# KiCad board st296n_20741.kicad_pcb (continued)
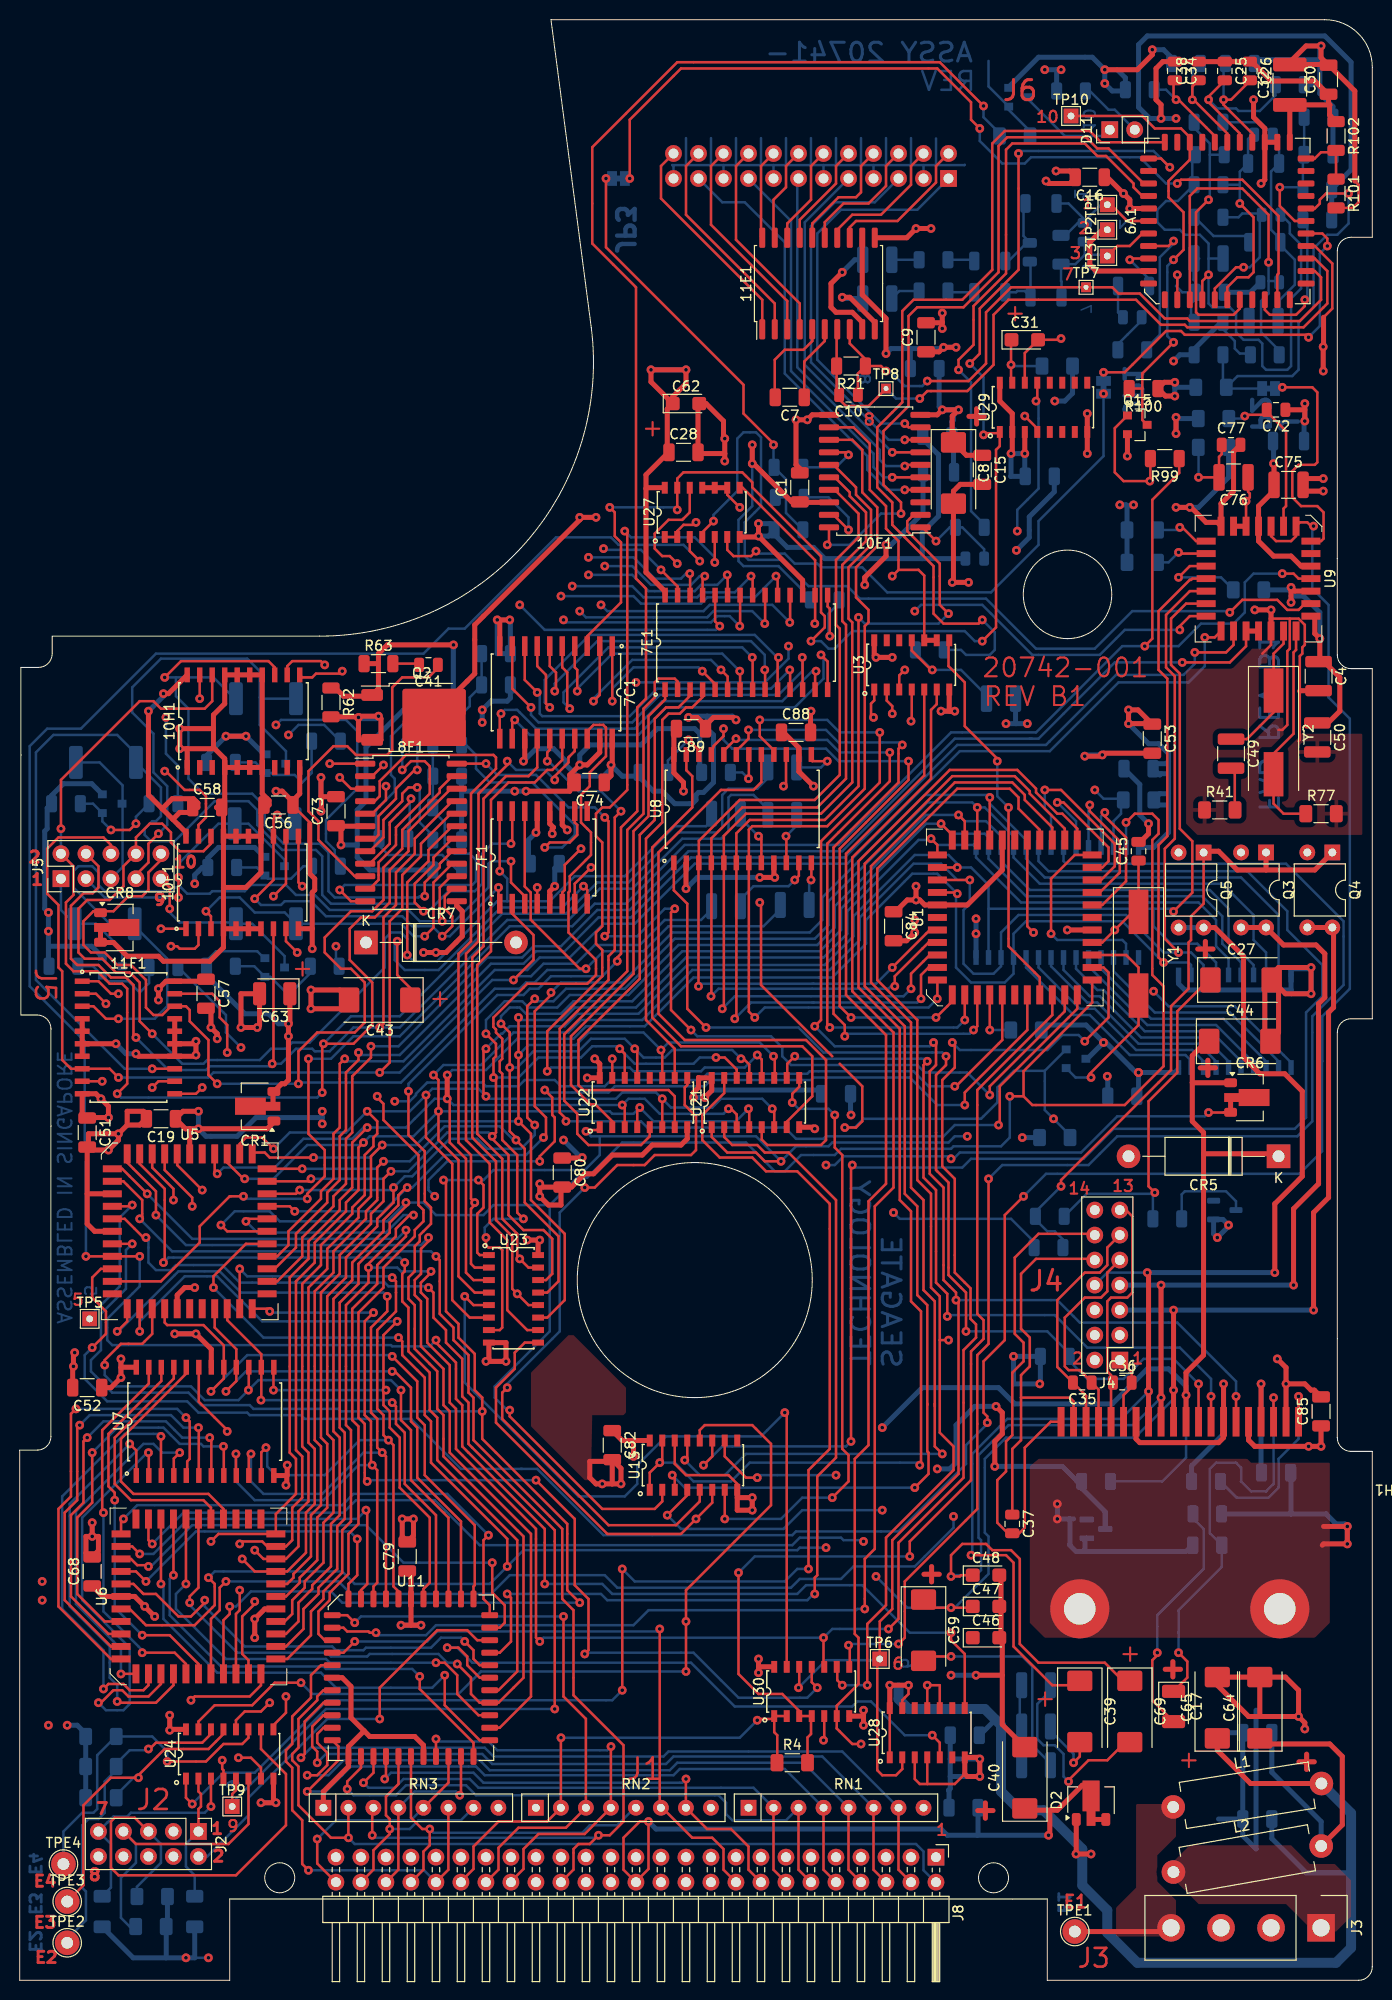
[diagram p0: board, top side]
## Routing (per net, layer and track width the routed paths; a pad name or vN(x,y) marks a point on that pad's centre or on a via; arc(x,y) is an arc through that point) (continued)
/Analog/MOTD-: length 143.7
  Top w0.254: v1(36.58,92.2) 37.59,93.22 37.59,107.57 38.86,108.84 38.86,112.27 40.77,114.17 40.77,115.44 43.81,118.49 44.4,118.49 ; v1(50.17,101.6) 52.2,103.63 52.2,106.17 50.04,108.33 7F1.2 ; v1(10.03,91.69) 9.14,92.58 5.21,92.58 4.32,93.47 4.32,102.49 3.94,102.87 3.94,109.22 2.79,110.36 2.79,114.94 3.94,116.08 8.51,116.08 9.27,115.32 9.27,114.43
  Bottom w0.254: R13.1 70.29,108.77 69.22,107.7 65.53,107.7 62.99,105.16 58.42,105.16 56.52,103.25 53.21,103.25 51.94,101.98 50.55,101.98 v1(50.17,101.6) 48.01,101.6 38.61,92.2 v1(36.58,92.2) 19.69,92.2 19.18,91.69 v1(10.03,91.69)
/Analog/MOTD_U: length 143.2
  Top w0.254: v1(74.3,142.62) 74.46,142.46 7E1.21
  In2.Cu w0.254: v1(56.13,141.61) 56.13,140.46 55.12,139.45 54.86,139.45 54.36,138.94 54.36,138.18 53.47,137.29 53.47,136.78 51.44,134.75 48.13,134.75 43.31,129.92 34.67,129.92 34.42,129.67 29.59,129.67 28.32,128.4 28.32,126.11 27.81,125.6 25.27,125.6 24.38,126.49 24.38,127.51 23.5,128.4 19.94,128.4 17.65,126.11 6.48,126.11 5.46,125.1 5.46,111 6.6,109.86 6.6,97.28 12.07,91.82 17.65,91.82 18.92,93.09 20.83,93.09 v1(22.48,94.74)
  Bottom w0.254: v1(56.13,141.61) 62.23,141.61 63.37,140.46 68.83,140.46 69.34,140.97 72.64,140.97 v1(74.3,142.62) ; R15.1 16.13,102.87 20.95,98.04 20.95,96.27 v1(22.48,94.74)
/Analog/MOTE+: length 48.3
  Top w0.254: v1(48.64,111) 48.64,109.47 7F1.1 ; v1(42.93,106.05) 43.94,107.06 43.94,108.08 43.18,108.84 43.18,110.09 43.96,110.87 44.4,110.87 ; v1(23.88,109.86) 25.78,111.76 10F1.13 25.78,117.98 v1(26.16,118.36)
  Bottom w0.254: v1(23.88,109.86) 24.51,109.22 26.54,109.22 26.92,109.6 29.59,109.6 31.12,108.08 38.86,108.08 39.88,107.06 41.91,107.06 v1(42.93,106.05) 43.69,106.05 v1(48.64,111) ; R68B1.1 27.05,117.48 v1(26.16,118.36)
/Analog/MOTE-: length 138.7
  Top w0.254: 10F1.18 19.43,115.44 18.67,114.68 16.26,114.68 15.37,115.57 15.37,116.59 14.48,117.48 13.21,117.48 11.81,116.08 11.81,114.43 10.54,113.16 10.54,111.12 9.14,109.73 6.86,109.73 5.97,108.84 5.97,104.39 6.6,103.76 8.38,103.76 9.78,102.36 11.18,102.36 12.19,101.35 12.19,97.41 v1(13.46,96.14) ; 44.4,117.22 43.94,117.22 41.53,114.81 41.53,113.67 39.37,111.51 v1(39.37,104.14) ; 7F1.16 v1(48.77,112.65)
  Bottom w0.254: 49.53,109.6 48.51,109.6 42.42,103.51 40,103.51 v1(39.37,104.14) 39.37,105.79 38.73,106.43 37.72,106.43 37.08,105.79 37.08,102.87 29.46,95.25 27.69,95.25 27.05,94.62 25.53,94.62 24.38,93.47 19.05,93.47 18.67,93.09 16.51,93.09 v1(13.46,96.14) ; 49.53,109.6 53.85,109.6 56.39,112.14 61.47,112.14 66.55,117.22 69.72,117.22 70.29,117.79 R10.1 ; 49.53,109.6 49.53,111.89 v1(48.77,112.65)
/Analog/MOTE_U: length 85.5
  Top w0.254: v1(76.84,142.62) 77,142.46 7E1.19
  In2.Cu w0.254: v1(26.04,127.51) 28.83,130.3 33.78,130.3 34.16,130.68 43.18,130.68 47.88,135.38 51.18,135.38 52.7,136.91 52.7,137.54 53.59,138.43 53.59,139.83 54.36,140.59 v1(54.99,140.59)
  Bottom w0.254: v1(54.99,140.59) 62.36,140.59 63.12,139.83 69.22,139.83 69.85,140.46 74.68,140.46 v1(76.84,142.62) ; v1(26.04,127.51) 26.54,128.02 33.15,128.02 34.29,126.87 34.29,121.03 31.12,117.86 31.12,115.7 32,114.81 32,114.3 32.58,113.73 R16.1
/Analog/RREF: length 19.7
  Top w0.254: 4H1.1 v1(129.92,59.31)
  Bottom w0.254: R50.2 123.64,49.02 126.87,49.02 127.89,50.04 127.89,52.96 129.92,54.99 v1(129.92,59.31)
/Analog/UHALL+: length 7.1
  Top w0.254: 4H1.15 112.14,59.44 112.96,60.26 C36.2 112.96,61.79 J4.1
/Analog/UHALL-: length 24.6
  Top w0.254: J4.13 112.4,78.23 113.03,77.6 113.03,69.85 112.52,69.34 110.87,69.34 110.49,68.96 110.49,61.85 110.87,61.47 110.87,56.73
/Analog/VHALL+: length 41.3
  Top w0.254: 101.73,59.18 101.73,61.47 102.62,62.36 102.62,65.28 101.73,66.17 101.73,71.76 103.25,73.28 109.09,73.28 J4.10 ; 101.73,59.18 106.68,59.18 107.06,58.8 4H1.19 ; 101.73,59.18 101.73,54.86 100.84,53.98 C37.1
/Analog/VHALL-: length 54
  Top w0.254: 4H1.20 104.74,56.73 102.11,54.1 102.11,45.97 101.54,45.41 100.39,45.41 99.31,46.48 99.31,50.8 100.2,51.69 100.2,54.74 100.84,55.37 100.84,61.72 101.98,62.87 101.98,64.77 101.09,65.66 101.09,73.41 103.5,75.82 109.09,75.82 J4.12
/Analog/WHALL+: length 21.8
  Top w0.254: 4H1.17 109.6,60.01 C35.1 108.9,60.77 107.7,61.98 106.55,61.98 106.17,62.36 106.17,67.31 108.2,69.34 109.85,69.34 110.49,69.98 110.49,71.88 J4.9
/Analog/WHALL-: length 23.7
  Top w0.254: J4.11 110.49,74.42 110.49,72.64 109.73,71.88 108.2,71.88 105.41,69.09 105.41,62.3 C35.2 108.33,59.38 4H1.18
/Analog/WRT_FAULT: length 30.5
  Top w0.254: U3.10 91.89,142.68 91.31,143.26 89.28,143.26 ; 10E1.12 84.71,157.73 86.36,156.08 86.36,151.38 88.01,149.73 88.01,147.45 89.28,146.18 89.28,143.26 ; 89.28,143.26 v1(88.65,142.62)
  Top w0.508: U3.9 U3.10
/Analog/WRT_OK: length 14.7
  Top w0.254: v1(130.56,170.69) 130.56,170.05 129.67,169.16 127,169.16 126.49,169.67 6A1.15
  Bottom w0.254: v1(130.56,170.69) 130.81,170.94 130.81,178.37 R104.2
/Analog/~{SM_DIS}: length 17.2
  Top w0.254: U27.8 73.45,151.6 80.81,144.24 7E1.16 80.81,137.83 v1(80.77,137.8)
/Analog/~{WRT_GATE}: length 47.5
  Top w0.254: 114.05,161.67 114.05,163.19 v1(117.22,166.37) ; 114.05,161.67 114.05,158.48 Q15.3 ; 114.05,161.67 R100.2 ; v1(117.22,174.75) 118.24,175.77 118.24,179.58 116.71,181.1 116.71,182.75 118.87,184.91 6A1.37 118.87,187.2 117.98,188.09 115.32,188.09 114.05,189.36 TP10.1
  Bottom w0.254: v1(117.22,174.75) 116.59,174.12 116.59,167 v1(117.22,166.37)
/Digital/A0: length 22.4
  Bottom w0.254: 102.24,103.89 102.24,102.87 107.06,98.04 108.71,98.04 112.78,93.98 118.43,93.98 119,93.41 119,92.71
/Digital/A1: length 22.4
  Bottom w0.254: U4.9 103.5,102.87 107.7,98.68 109.22,98.68 113.41,94.49 119.13,94.49 120.27,93.34 120.27,92.71
/Digital/A2: length 22.3
  Bottom w0.254: 121.54,92.71 121.54,93.34 119.76,95.12 113.66,95.12 109.47,99.31 108.46,99.31 104.78,103 U4.8
/Digital/A3: length 22.5
  Bottom w0.254: 122.81,92.71 122.81,93.34 120.4,95.76 113.92,95.76 109.73,99.95 108.71,99.95 106.04,102.62 U4.7
/Digital/A4: length 22.4
  Bottom w0.254: 124.08,92.71 124.08,93.34 121.03,96.39 114.3,96.39 110.11,100.58 109.47,100.58 107.31,102.74 U4.6
/Digital/A5: length 22.2
  Bottom w0.254: U4.5 108.59,103 114.55,97.03 121.54,97.03 125.35,93.22 125.35,92.71
/Digital/A6: length 22.4
  Bottom w0.254: 126.62,92.71 126.62,93.34 122.3,97.66 114.94,97.66 109.85,102.74 U4.4
/Digital/A7: length 22.6
  Bottom w0.254: U2.12 127.89,93.34 122.94,98.3 115.32,98.3 111.12,102.49 U4.3
/Digital/A8: length 16
  Top w0.254: v1(110.24,118.62) 110.24,118.24 112.4,116.08 112.4,111.63 109.98,109.22 U1.24
  Bottom w0.254: U4.25 109.85,118.24 v1(110.24,118.62)
/Digital/A9: length 16.1
  Top w0.254: v1(108.71,119.38) 108.71,118.75 111.76,115.7 111.76,112.52 109.73,110.49 U1.25
  Bottom w0.254: v1(108.71,119.38) 108.59,119.25 U4.24
/Digital/A10: length 20.6
  Top w0.254: v1(104.14,120.9) 105.79,120.9 111.25,115.44 111.25,113.16 109.85,111.76 U1.26
  Bottom w0.254: v1(104.14,120.9) 104.14,119 104.78,118.36 U4.21
/Digital/A11: length 15.8
  Top w0.254: U1.27 109.98,113.03 110.62,113.67 110.62,115.06 106.04,119.63 v1(105.41,119.63)
  Bottom w0.254: v1(105.41,119.63) 107.31,117.73 U4.23
/Digital/A12: length 20.2
  Top w0.254: U1.28 107.19,114.3 104.78,111.89 v1(104.78,106.3)
  Bottom w0.254: U4.2 112.4,105.28 112.01,105.66 105.41,105.66 v1(104.78,106.3)
/Digital/CLK_10M_2: length 43.3
  Top w0.254: 83.31,93.09 85.6,90.81 85.6,87.25 84.96,86.61 v1(83.82,86.61)
  Bottom w0.254: Q14.2 104.14,92.37 ; 104.14,92.37 101.01,92.37 99.33,90.69 99.33,89.17 97.66,87.5 85.72,87.5 84.84,86.61 v1(83.82,86.61) ; 104.14,92.37 104.14,88.39 v1(105.03,87.5) 106.71,85.83 R11.2
/Digital/DIRECTION: length 73.8
  Top w0.254: v1(49.53,123.83) 49.53,123.44 46.61,120.52 46.61,105.54 45.34,104.27 45.34,85.34 47.75,82.93 47.75,76.96 49.53,75.18 49.53,68.07 51.56,66.04 U23.10 ; 7C1.17 56.39,124.84 55.75,124.21 55.75,123.7 54.36,122.3 v1(54.36,121.92)
  Bottom w0.254: v1(54.36,121.92) 53.34,122.94 50.42,122.94 v1(49.53,123.83)
/Digital/OLD_CLK_10M0: length 124.2
  Top w0.254: v1(69.09,144.15) 68.07,145.16 U27.3
  Bottom w0.254: v1(69.09,144.15) 67.44,145.8 60.83,145.8 60.07,146.56 54.48,146.56 45.21,137.29 43.56,137.29 41.02,134.75 13.84,134.75 6.22,127.13 2.79,127.13 1.02,125.35 1.02,100.97 6.6,95.38 6.6,84.2
/Digital/OLD_CLK_10M_2: length 71.2
  Top w0.254: 82.55,93.85 75.31,101.09 75.31,109.35 v1(75.18,109.47) ; v1(68.71,148.08) 68.45,147.83 67.44,147.83 66.8,147.19 U27.2 U27.1
  In2.Cu w0.254: v1(75.18,109.47) 71.5,109.47 67.06,113.92 67.06,119.13 64.77,121.41 64.77,133.6 63.75,134.62 63.75,144.53 67.31,148.08 v1(68.71,148.08)
/Digital/PORT0_CP: length 62.5
  Top w0.254: v1(71.63,46.86) U13.7 ; v1(78.49,89.15) 78.49,90.04 79.19,90.75 U21.9 ; v1(82.55,49.02) 84.2,50.67 84.2,53.34 83.57,53.98 83.57,83.82 82.8,84.58 v1(82.8,87.88)
  Bottom w0.254: v1(78.49,89.15) 79.12,88.52 82.17,88.52 v1(82.8,87.88) ; v1(82.55,49.02) 79.5,49.02 77.34,46.86 v1(71.63,46.86)
/Digital/PORT1_CP: length 40
  Top w0.254: U23.9 51.31,64.77 50.29,63.75 50.29,62.1 48.39,60.2 48.39,56.64 59.69,45.34 67.18,45.34 v1(68.71,46.86) 70.36,48.51 U13.6
/Digital/PORT2_CP: length 74.5
  Top w0.254: U13.5 69.09,48.64 66.67,46.23 59.82,46.23 49.02,57.02 49.02,59.69 v1(49.53,60.2) ; U22.9 67.82,90.93 67.56,90.68 67.56,88.9 68.71,87.76 68.71,84.33 68.2,83.82 64.52,83.82 63.5,82.8 60.71,82.8 58.42,80.52 v1(57.4,80.52)
  Bottom w0.254: v1(57.4,80.52) 54.86,77.98 54.86,65.91 49.53,60.58 v1(49.53,60.2)
/Digital/PORT_A13: length 127.6
  Top w0.254: U13.1 64.01,51.56 v1(65.02,52.58) 65.28,52.83 U13.15 ; v1(91.44,52.32) 91.57,52.45 91.57,67.95 90.55,68.96 90.55,78.11 89.41,79.25 89.41,96.65 85.22,100.84 85.22,113.67 94.49,122.94 101.35,122.94 103.25,121.03 103.25,120.65 105.41,118.49 105.92,118.49 107.44,116.97 U1.29
  Bottom w0.254: v1(65.02,52.58) 66.55,52.58 68.45,50.67 72.26,50.67 74.17,52.58 91.19,52.58 v1(91.44,52.32)
/Digital/PORT_A14: length 121
  Top w0.254: 92.2,58.55 92.2,58.42 ; 92.2,58.55 92.2,53.72 92.33,53.59 92.33,51.44 v1(90.93,50.04) ; 92.2,58.55 92.2,68.58 91.19,69.6 91.19,78.61 89.92,79.88 89.92,96.9 85.85,100.97 85.85,113.41 94.74,122.3 101.09,122.3 102.62,120.78 102.62,120.52 106.17,116.97 U1.30 ; v1(66.29,51.31) 66.55,51.05 U13.3
  Bottom w0.254: v1(90.93,50.04) 67.56,50.04 v1(66.29,51.31)
/Digital/PORT_A15: length 118.1
  Top w0.254: v1(67.56,52.83) 67.82,53.09 U13.13 ; v1(93.73,53.47) 92.96,54.23 92.96,58.55 ; 92.96,58.55 92.96,68.96 91.82,70.1 91.82,79.25 90.55,80.52 90.55,97.28 86.49,101.35 86.49,113.16 95,121.67 100.84,121.67 102.11,120.4 102.11,119.89 104.9,117.09 U1.31 ; 92.96,58.55 92.96,58.29
  Bottom w0.254: v1(93.73,53.47) 73.79,53.47 71.63,51.31 69.09,51.31 v1(67.56,52.83)
/Digital/SRAM_CE: length 8.3
  Bottom w0.254: U4.26 111.12,117.73 111.89,118.49 111.89,120.02 110.11,120.02 v1(109.22,120.9)
/Digital/STEP_OIC: length 108.1
  Top w0.254: 7C1.15 53.85,124.97 53.59,124.71 v1(53.59,123.83) ; v1(55.5,87.25) 55.5,87.5 54.86,88.14 54.86,96.65 59.82,101.6 59.82,104.01 60.45,104.65 60.45,118.11 v1(61.09,118.75) ; U1.17 107.44,98.68 99.57,90.81 99.57,87 v1(99.44,86.87)
  Bottom w0.254: v1(99.44,86.87) 95,86.87 93.85,85.73 81.92,85.73 81.66,85.47 78.87,85.47 77.72,86.61 63.75,86.61 63.12,87.25 v1(55.5,87.25) ; v1(61.09,118.75) 59.06,120.78 56.77,120.78 53.72,123.83 v1(53.59,123.83)
/Digital/SYSRST: length 75.4
  Top w0.254: v1(103.25,160.4) 103.38,160.53 U29.13 ; U1.10 v1(98.55,96.52)
  In1.Cu w0.254: v1(101.35,147.19) 100.58,147.19 99.57,146.18 99.57,132.97 97.92,131.32 97.92,122.43 99.44,120.9 99.44,119.51 98.55,118.62 v1(98.55,96.52)
  Bottom w0.254: R42.1 v1(98.55,96.52) ; v1(103.25,160.4) 103.5,160.15 103.5,151.51 101.35,149.35 v1(101.35,147.19)
/Digital/U9_VPD: length 28.1
  Top w0.508: v1(129.16,139.95) v1(129.16,141.48) 129.54,141.1 131.18,141.1 ; U9.26 131.32,138.56 131.57,138.3 131.57,136.78 v1(132.08,136.27) 132.08,134.37 134.11,132.33 134.11,128.91 132.92,127.71 C50.1
  Bottom w0.508: R78.1 128.91,141.22 v1(129.16,141.48) 129.16,140.59 ; 129.16,140.59 v1(129.16,139.95) ; 129.16,140.59 130.43,140.59 132.08,138.94 v1(132.08,136.27)
/Digital/U9_~{WD}: length 91.4
  Top w0.254: U27.4 69.34,147.07 v1(70.48,148.21) ; v1(122.94,138.94) 124.21,140.21 127.76,140.21 128.78,139.19 129.92,139.19 130.56,139.83 U9.27
  Bottom w0.254: v1(70.48,148.21) 70.48,148.84 72.9,151.26 72.9,156.59 73.53,157.23 74.8,157.23 75.31,156.72 75.31,149.73 73.66,148.08 73.66,144.65 74.04,144.27 77.47,144.27 80.14,141.61 84.07,141.61 85.34,140.34 98.17,140.34 103.25,135.25 109.22,135.25 113.03,139.06 122.81,139.06 v1(122.94,138.94)
/Digital/~{HALFSTEP2}: length 83.2
  Top w0.254: v1(47.37,75.44) 47.37,74.68 47.62,74.42 48.77,74.42 49.02,74.17 49.02,66.29 48.77,66.04 U23.7 ; v1(51.18,77.34) 50.55,77.98 50.55,83.82 49.02,85.34 49.02,92.08 48.77,92.33 48.77,93.34 49.02,93.6 49.02,95.63 48.39,96.27 48.39,96.57 48.12,96.83 48.12,97.78 51.56,101.22 57.66,101.22 58.55,102.11 58.55,103.63 55.75,106.43 55.75,110.49 55.88,110.62 55.88,112.14 58.04,114.3 58.04,116.59 57.02,117.6 57.02,120.4 57.91,121.29 57.91,122.68 59.56,124.33 59.56,127.22 59.28,127.51 58.29,127.51 57.66,126.87 7C1.18
  Bottom w0.254: v1(47.37,75.44) 47.24,75.57 47.24,76.45 48.13,77.34 v1(51.18,77.34)
/Digital/~{HALFSTEP}: length 62.3
  Top w0.254: 7C1.16 55.12,123.95 54.1,122.94 53.59,122.94 52.32,121.67 49.66,121.67 47.88,119.89 47.88,104.52 46.48,103.12 46.48,85.98 49.02,83.44 49.02,77.34 50.55,75.82 50.55,73.53 v1(50.8,73.28) 51.69,72.39 U23.15
/Digital/~{PSEN}: length 118.6
  Top w0.254: v1(86.11,29.97) 86.11,36.2 88.01,38.1 88.01,44.96 94.87,51.82 94.87,54.23 93.47,55.63 93.47,65.02 ; v1(83.57,29.97) 83.06,30.48 83.06,31.78 U30.9 ; 93.47,65.02 v1(94.36,65.02) ; 93.47,65.02 93.47,69.47 92.58,70.36 92.58,79.88 91.19,81.28 91.19,97.54 87.12,101.6 87.12,112.9 95.25,121.03 100.58,121.03 101.47,120.14 101.47,119 103.63,116.84 U1.32
  Bottom w0.254: v1(86.11,29.97) v1(83.57,29.97)
/Digital/~{SCSI_CS}: length 97.1
  Top w0.254: U13.10 71.63,53.21 73.79,51.05 v1(74.93,51.05) ; U3.1 86.81,129.99 86.49,129.67 86.49,128.52 v1(86.74,128.27)
  In1.Cu w0.254: v1(86.74,128.27) 86.11,127.64 86.11,81.79 88.01,79.88 88.01,59.82 82.93,54.74 v1(82.93,51.31)
  Bottom w0.254: v1(82.93,51.31) 75.18,51.31 v1(74.93,51.05)
/Digital/~{SMRESET}: length 64.9
  Top w0.254: U23.12 51.69,68.58 v1(50.55,69.72) 50.04,70.23 50.04,75.57 48.39,77.22 48.39,83.19 45.97,85.6 45.97,103.89 47.12,105.03 47.12,120.02 49.4,122.3 51.69,122.3 52.58,123.19 7C1.14
/Digital/~{SRAM_CE1}: length 147.2
  Top w0.254: v1(84.45,54.74) 84.45,82.68 v1(84.58,82.8) ; v1(69.47,52.32) 70.36,53.21 U13.11
  Bottom w0.254: U4.20 103.5,113.67 104.52,112.65 124.71,112.65 128.78,108.59 128.78,106.68 132.33,103.12 132.33,99.95 130.68,98.3 130.68,87.63 129.54,86.49 111.12,86.49 108.08,83.44 96.65,83.44 95.76,82.55 84.84,82.55 v1(84.58,82.8) ; v1(69.47,52.32) 71.37,54.23 83.95,54.23 v1(84.45,54.74)
/SCSI/ACK: length 33.3
  Top w0.254: v1(12.83,40.51) 11.81,41.53 U6.43 ; U11.6 33.4,40.26 34.29,41.15 v1(34.29,44.83)
  Bottom w0.254: v1(34.29,44.83) 33.53,45.59 17.91,45.59 v1(12.83,40.51)
/SCSI/BOE: length 116.1
  Top w0.254: U3.4 90.62,127.96 v1(90.55,127.89) ; U30.5 81.73,24.46 v1(81.66,24.38)
  In1.Cu w0.254: v1(90.55,127.89) 89.66,127.89 86.74,124.97 86.74,82.17 89.92,78.99 89.92,57.15 84.58,51.82 84.58,45.85 82.93,44.2 82.93,34.8 81.92,33.78 81.92,24.64 v1(81.66,24.38)
/SCSI/BSY: length 47
  Top w0.254: U6.35 v1(16.89,40.26) ; U11.31 46.61,26.92 44.45,29.08 44.45,30.99 43.18,32.26 v1(42.29,32.26)
  Bottom w0.254: v1(16.89,40.26) 15.88,39.24 15.88,37.72 20.95,32.64 31.12,32.64 31.5,32.26 v1(42.29,32.26)
/SCSI/BSYO: length 277.8
  Top w0.254: v1(60.71,103.51) 60.71,103.89 61.09,104.27 61.09,117.09 62.74,118.75 62.74,129.29 63.63,130.18 63.63,141.35 62.61,142.37 62.61,171.96 58.17,176.4 58.17,186.18 66.8,194.82 93.47,194.82 v1(97.92,190.37) ; v1(44.45,32.13) 45.85,30.73 45.85,29.08 46.74,28.19 U11.32 48.64,28.19 51.18,30.73 51.18,45.09 43.05,53.21 43.05,57.4 42.42,58.04 42.42,61.85 40.13,64.14 40.13,68.58 39.5,69.22 39.5,71.37 40.13,72.01 40.13,74.55 40.64,75.06 40.64,75.69 41.78,76.84 41.78,78.49 41.15,79.12 41.15,84.2 39.5,85.85 v1(39.5,90.3) ; v1(17.27,38.35) 17.27,38.99 18.16,39.88 U6.34
  Bottom w0.254: v1(97.92,190.37) 97.92,189.23 99.54,187.61 R76.1 ; v1(60.71,103.51) 59.18,101.98 53.97,101.98 52.7,100.71 51.82,100.71 51.18,100.08 48.51,100.08 39.5,91.06 v1(39.5,90.3) ; v1(17.27,38.35) 17.27,38.1 22.1,33.27 31.24,33.27 31.62,32.89 35.31,32.89 35.56,33.15 42.55,33.15 43.43,32.26 44.32,32.26 v1(44.45,32.13)
/SCSI/CLKA: length 65
  Top w0.254: U6.16 23.24,32.51 22.61,33.15 22.61,36.96 23.88,38.23 v1(23.88,38.48) ; U5.3 14.73,82.3 17.53,79.5 v1(17.53,78.61)
  In2.Cu w0.254: v1(23.88,38.48) 23.88,39.88 20.7,43.05 18.54,43.05 9.91,51.69 9.91,57.28 14.22,61.59 14.22,68.33 16.76,70.87 16.76,77.85 v1(17.53,78.61)
/SCSI/C~{D}: length 19.1
  Top w0.254: RN3.4 38.47,11.23 J8.46 ; U11.27 44.83,18.92 v1(44.7,18.8)
  Bottom w0.254: RN3.4 40.12,19.18 44.32,19.18 v1(44.7,18.8)
/SCSI/IO: length 87.1
  Top w0.254: U11.33 48.64,29.46 50.55,31.37 50.55,44.7 42.42,52.83 42.42,57.15 41.66,57.91 41.66,61.72 39.5,63.88 39.5,68.33 38.86,68.96 38.86,71.76 39.12,72.01 v1(39.12,72.9) ; v1(14.61,72.9) 14.73,73.03 14.73,80.39 12.19,82.93 U5.5
  Bottom w0.254: v1(14.61,72.9) 15.11,73.41 38.61,73.41 v1(39.12,72.9)
/SCSI/I~{O}: length 23.5
  Top w0.254: RN3.5 43.56,20.08 U11.26 ; v1(30.23,14.35) 30.23,11.87 J8.50
  Bottom w0.254: RN3.5 39.74,16.26 32.13,16.26 v1(30.23,14.35)
/SCSI/LO: length 49.7
  Top w0.254: v1(13.08,42.04) 12.95,42.16 11.94,42.16 11.3,42.8 U6.42 ; U11.38 48.77,35.81 49.28,36.32 49.28,38.1 48.01,39.37 v1(48.01,42.42)
  Bottom w0.254: v1(13.08,42.04) 13.34,42.04 17.53,46.23 35.18,46.23 38.99,42.42 v1(48.01,42.42)
/SCSI/MSG: length 80
  Top w0.254: U5.7 10.41,82.42 v1(12.95,79.88) ; v1(39.24,76.2) 39.24,75.57 36.32,72.64 36.32,70.74 33.78,68.2 33.78,56.9 34.42,56.26 34.42,46.36 33.4,45.34 33.4,41.28 31.5,39.37 31.5,38.61 30.35,37.47 30.35,35.18 30.99,34.54 U11.9
  Bottom w0.254: v1(39.24,76.2) 38.35,75.31 17.53,75.31 v1(12.95,79.88)
/SCSI/PA_REQ: length 63.8
  Top w0.254: v1(15.62,79.25) 15.62,80.39 13.46,82.55 U5.4 ; U6.15 21.97,37.21 22.35,37.59 v1(22.35,39.62)
  In2.Cu w0.254: v1(15.62,79.25) 16.13,78.74 16.13,71.5 13.59,68.96 13.59,61.72 9.14,57.28 9.14,51.44 18.03,42.55 20.45,42.55 22.35,40.64 v1(22.35,39.62)
/SCSI/PARITY: length 64.5
  Top w0.254: v1(65.02,35.69) 65.02,17.64 RN2.6 65.28,17.53 68.33,14.48 70.36,14.48 71.5,13.34 71.5,11.23 J8.18 ; U11.10 32.89,33.27 v1(34.04,34.42)
  Bottom w0.254: v1(34.04,34.42) 41.4,34.42 42.42,35.43 64.77,35.43 v1(65.02,35.69)
/SCSI/REQ: length 44.3
  Top w0.254: U6.44 11.56,40.26 12.57,39.24 13.84,39.24 16.13,36.96 17.4,36.96 18.8,38.35 v1(18.8,38.61) ; U11.35 46.74,32 46.1,32.64 46.1,33.53 v1(45.21,34.42)
  Bottom w0.254: v1(18.8,38.61) 18.8,37.97 22.86,33.91 31.75,33.91 32.13,33.53 34.92,33.53 35.18,33.78 41.78,33.78 42.8,34.8 44.83,34.8 v1(45.21,34.42)
/SCSI/SA0: length 38.7
  Top w0.254: U7.8 20.74,54.19 v1(20.7,54.23) ; v1(7.37,53.59) 7.37,48.51 5.84,46.99 5.84,39.24 8.64,36.45 U6.3
  Bottom w0.254: v1(7.37,53.59) 9.91,56.13 14.61,56.13 16.26,54.48 18.41,54.48 18.67,54.23 v1(20.7,54.23)
/SCSI/SA1: length 41.2
  Top w0.254: v1(6.86,55.12) 6.48,54.74 6.48,48.51 5.21,47.24 5.21,38.99 9.02,35.18 U6.4 ; U7.7 19.47,54.96 v1(19.3,55.12)
  Bottom w0.254: v1(6.86,55.12) 8.51,56.77 14.86,56.77 16.51,55.12 v1(19.3,55.12)
/SCSI/SA2: length 44
  Top w0.254: U7.6 18.2,56.1 v1(18.16,56.13) ; v1(6.1,56.39) 5.84,56.13 5.84,48.77 4.57,47.5 4.57,38.61 9.27,33.91 U6.5
  Bottom w0.254: v1(18.16,56.13) 16.64,56.13 15.37,57.4 7.11,57.4 v1(6.1,56.39)
/SCSI/SA3: length 47.1
  Top w0.254: v1(5.72,58.04) 5.21,57.53 5.21,49.15 3.94,47.88 3.94,37.97 9.27,32.64 U6.6 ; U7.5 17.02,51.36 17.02,52.71 17.27,52.96 17.27,56.77 v1(16.89,57.15)
  Bottom w0.254: v1(16.89,57.15) 16,58.04 v1(5.72,58.04)
/SCSI/SA4: length 36.3
  Top w0.254: U7.4 15.66,52.99 v1(16.26,53.59) ; v1(10.29,31.12) 10.3,31.13 U6.7
  Bottom w0.254: v1(10.29,31.12) 10.29,33.66 5.72,38.23 5.72,47.62 12.57,54.48 13.59,54.48 14.48,53.59 v1(16.26,53.59)
/SCSI/SA5: length 44.5
  Top w0.254: U6.8 13.08,29.97 12.57,29.46 11.18,29.46 10.54,30.1 9.02,30.1 v1(8.51,29.59) ; v1(14.35,55.25) 14.35,51.3 U7.3
  Bottom w0.254: v1(8.51,29.59) 8.51,33.53 4.32,37.72 4.32,49.15 10.67,55.5 14.1,55.5 v1(14.35,55.25)
/SCSI/SA6: length 45.2
  Top w0.254: U6.9 14.35,30.1 13.08,28.83 11.05,28.83 10.41,29.46 9.52,29.46 8.26,28.19 v1(8,28.19) ; v1(13.08,53.59) 13.12,53.56 U7.2
  Bottom w0.254: v1(8,28.19) 8.76,27.43 10.54,27.43 11.18,28.07 11.18,33.78 6.35,38.61 6.35,46.99 12.95,53.59 v1(13.08,53.59)
/SCSI/SA7: length 41.8
  Top w0.254: v1(9.91,28.32) 10.03,28.19 13.84,28.19 15.62,29.97 U6.10 ; U7.1 11.85,53.81 v1(11.18,54.48)
  Bottom w0.254: v1(9.91,28.32) 9.91,29.97 9.14,30.73 9.14,33.91 5.08,37.97 5.08,48.39 v1(11.18,54.48)
/SCSI/SA8: length 38.6
  Top w0.254: U6.11 16.89,32.13 15.75,33.27 v1(12.45,33.27) ; U7.23 13.12,60.61 8.38,55.88 8.38,47.62 v1(8.51,47.5)
  Bottom w0.254: v1(8.51,47.5) 8.51,37.47 12.45,33.53 v1(12.45,33.27)
/SCSI/SA9: length 38.8
  Top w0.254: v1(9.65,48.77) 9.65,49.53 9.02,50.17 9.02,55.5 14.39,60.87 U7.22 ; U6.12 18.16,32.13 15.24,35.05 v1(12.45,35.05)
  Bottom w0.254: v1(9.65,48.77) 9.65,37.85 v1(12.45,35.05)
/SCSI/SA10: length 52.1
  Top w0.254: v1(21.08,55.75) 21.08,55.88 18.2,58.77 U7.19 ; v1(17.4,28.45) 17.78,28.83 23.37,28.83 24.51,29.97 U6.17
  In1.Cu w0.254: v1(17.4,28.45) 20.07,31.12 20.07,43.82 26.16,49.91 26.16,54.86 25.27,55.75 v1(21.08,55.75)
/SCSI/SD0: length 86.3
  Top w0.254: U11.13 30.86,29.46 30.23,28.83 30.23,28.45 28.32,26.54 28.32,23.62 27.69,22.99 27.69,22.35 28.32,21.72 28.32,17.78 31.62,14.48 v1(33.4,14.48) 33.39,14.49 RN3.2
  Bottom w0.254: v1(33.4,14.48) 34.04,13.84 91.06,13.84 91.82,13.08 91.82,11.18 93.03,9.97 J8.2
/SCSI/SD1: length 79.6
  Top w0.254: J8.4 89.28,11.23 RN1.7 ; U11.14 30.86,28.19 28.96,26.29 28.96,22.99 v1(28.58,22.61)
  Bottom w0.254: RN1.7 83.57,23.24 65.91,23.24 65.41,22.73 48.13,22.73 47.24,23.62 29.59,23.62 v1(28.58,22.61)
/SCSI/SD2: length 74.3
  Top w0.254: U11.15 30.86,26.92 29.72,25.78 29.72,23.75 30.23,23.24 v1(30.23,22.1) ; J8.6 86.74,11.23 RN1.6
  Bottom w0.254: RN1.6 81.53,22.73 66.42,22.73 65.66,21.97 48.01,21.97 46.99,22.99 31.12,22.99 v1(30.23,22.1)
/SCSI/SD3: length 74.2
  Top w0.254: v1(29.21,20.83) 30.21,20.83 31.24,21.86 31.24,23.11 30.23,24.13 30.23,25.02 30.86,25.65 U11.16 ; RN1.5 84.2,11.23 J8.8
  Bottom w0.254: RN1.5 79.63,22.1 66.8,22.1 66.04,21.34 47.75,21.34 46.74,22.35 32.89,22.35 31.37,20.83 v1(29.21,20.83)
/SCSI/SD4: length 70.6
  Top w0.254: J8.10 81.66,11.23 RN1.4 ; v1(29.21,19.18) 32.38,22.35 32.38,23.75 U11.17
  Bottom w0.254: v1(29.21,19.18) 31.12,19.18 33.66,21.72 46.36,21.72 47.24,20.83 66.42,20.83 67.06,21.46 77.72,21.46 RN1.4
/SCSI/SD5: length 61.2
  Top w0.254: RN1.3 79.12,11.23 J8.12 ; v1(33.27,19.43) 33.27,20.19 34.67,21.59 U11.19
  Bottom w0.254: RN1.3 77.85,16.26 72.39,16.26 71.75,16.89 71.75,18.03 70.99,18.8 46.36,18.8 45.34,19.81 39.24,19.81 38.23,18.8 33.91,18.8 v1(33.27,19.43)
/SCSI/SD6: length 54.6
  Top w0.254: U11.20 35.94,21.08 v1(34.92,20.07) ; RN1.2 76.58,11.23 J8.14
  Bottom w0.254: RN1.2 74.55,19.56 46.61,19.56 45.72,20.45 38.99,20.45 38.1,19.56 35.43,19.56 v1(34.92,20.07)
/SCSI/SD7: length 48.8
  Top w0.254: U11.21 37.21,20.57 v1(37.08,20.45) ; v1(67.69,20.45) 67.68,20.44 RN2.7 69.84,15.37 72.26,15.37 74.04,13.59 74.04,11.23 J8.16
  Bottom w0.254: v1(37.08,20.45) 37.72,21.08 46.1,21.08 47.12,20.07 67.31,20.07 v1(67.69,20.45)
/SCSI/SDB0: length 63.7
  Top w0.254: U5.28 25.13,68.21 v1(25.4,67.95) ; U7.9 21.97,51.3 v1(21.97,53.47) ; v1(35.94,67.82) 35.05,66.93 35.05,57.4 35.69,56.77 35.69,52.45 v1(35.81,52.32) 36.32,51.82 36.32,40.39 35.94,40.01 U11.4
  Bottom w0.254: v1(25.4,67.95) 25.53,67.82 v1(35.94,67.82) ; v1(35.81,52.32) 34.42,52.32 30.86,48.77 23.88,48.77 21.97,50.67 v1(21.97,53.47)
/SCSI/SDB1: length 86.5
  Top w0.254: U7.10 23.28,53.25 v1(23.5,53.47) ; v1(9.91,65.91) 10.92,66.93 U5.18 ; U11.3 37.21,53.21 v1(36.83,53.59) 36.32,54.1 36.32,57.02 35.69,57.66 35.69,66.29 37.34,67.95 v1(37.34,69.47)
  Bottom w0.254: v1(37.34,69.47) 36.96,69.85 22.48,69.85 20.32,72.01 16.13,72.01 10.03,65.91 v1(9.91,65.91) ; v1(23.5,53.47) 23.5,50.67 24.77,49.4 30.73,49.4 34.92,53.59 v1(36.83,53.59)
/SCSI/SDB2: length 73.5
  Top w0.254: 38.48,38.73 38.48,39.5 37.97,40.01 37.97,54.36 v1(37.47,54.86) 36.96,55.37 36.96,57.4 36.32,58.04 36.32,66.04 38.23,67.95 38.23,70.99 v1(37.85,71.37) ; U7.11 24.55,53.63 v1(25.02,54.1) ; U5.27 v1(22.35,72.26)
  Bottom w0.254: v1(37.85,71.37) 37.72,71.5 23.11,71.5 v1(22.35,72.26) ; v1(25.02,54.1) 25.15,53.98 25.15,52.2 26.04,51.31 30.99,51.31 34.54,54.86 v1(37.47,54.86)
/SCSI/SDB3: length 78.2
  Top w0.254: v1(38.35,66.93) 36.96,65.53 36.96,60.2 v1(37.21,59.94) 36.96,59.69 36.96,58.42 37.59,57.79 37.59,56.13 38.61,55.12 38.61,50.04 41.66,46.99 41.66,40.39 41.02,39.75 U11.44 ; U5.19 v1(12.19,65.91) ; v1(25.78,59.94) 25.78,62.23 U7.13
  Bottom w0.254: v1(38.35,66.93) 24.64,66.93 20.07,71.5 16.76,71.5 12.19,66.93 v1(12.19,65.91) ; v1(37.21,59.94) v1(25.78,59.94)
/SCSI/SDB4: length 46
  Top w0.254: v1(37.85,58.67) 38.23,58.29 38.23,56.52 39.12,55.63 39.12,50.42 42.29,47.24 U11.43 ; v1(24.51,58.93) 24.55,58.96 U7.14 24.55,63.59 21.08,67.06 U5.26
  Bottom w0.254: v1(37.85,58.67) 37.59,58.93 v1(24.51,58.93)
/SCSI/SDB5: length 68
  Top w0.254: v1(23.24,59.94) 23.28,59.98 U7.15 ; v1(38.73,59.94) 38.73,56.9 39.75,55.88 39.75,50.8 43.56,46.99 U11.42 ; U5.20 13.46,65.66 12.45,64.64 10.29,64.64 8.64,62.99 v1(8.64,62.48)
  Bottom w0.254: v1(38.73,59.94) 37.72,60.96 24.26,60.96 v1(23.24,59.94) 22.23,58.93 18.8,58.93 17.4,60.33 9.78,60.33 8.64,61.47 v1(8.64,62.48)
/SCSI/SDB6: length 53.6
  Top w0.254: U11.41 44.83,46.61 40.39,51.05 40.39,56.13 39.75,56.77 39.75,60.2 38.1,61.85 v1(37.85,61.85) ; v1(20.95,59.82) 22.01,60.87 U7.16 22.01,64.1 19.81,66.29 U5.25
  Bottom w0.254: v1(20.95,59.82) 22.99,61.85 v1(37.85,61.85)
/SCSI/SDB7: length 61.7
  Top w0.254: v1(19.43,59.82) 20.74,61.12 U7.17 20.74,64.48 18.67,66.55 14.99,66.55 14.73,66.8 U5.21 ; v1(37.85,63.37) 40.39,60.83 40.39,57.15 41.15,56.39 41.15,51.31 46.23,46.23 46.23,40.13 46.1,40.01 U11.40
  Bottom w0.254: v1(37.85,63.37) 37.72,63.5 23.11,63.5 v1(19.43,59.82)
/SCSI/SEL: length 51.3
  Top w0.254: U6.37 v1(14.35,40.26) ; v1(43.18,30.99) 43.18,27.94 46.74,24.38 U11.29
  Bottom w0.254: v1(43.18,30.99) 41.91,29.72 32.13,29.72 30.61,31.24 20.07,31.24 14.61,36.7 14.61,40.01 v1(14.35,40.26)
/SCSI/SELO: length 48.3
  Top w0.254: v1(40.64,30.86) 40.64,29.59 46.1,24.13 U11.28 ; U6.36 v1(15.62,41.15)
  Bottom w0.254: v1(40.64,30.86) 39.88,31.62 31.12,31.62 30.86,31.88 20.45,31.88 15.24,37.08 15.24,40.77 v1(15.62,41.15)
/SCSI/TMPWR: length 74.4
  Top w0.254: 62.99,16.13 v1(63.88,16.13) 63.88,11.3 62.61,10.03 J8.26 61.34,11.23 61.34,14.48 62.99,16.13
  Top w0.508: 104.65,17.27 102.3,17.27 C40.1 ; 104.65,17.27 105.41,17.27 107.95,19.81 108.84,19.81 D2.2 108.93,16.34 D2.3 ; 104.65,17.27 104.65,14.86 v1(104.52,14.73)
  Bottom w0.508: C6.1 97.36,14.81 97.28,14.73 ; 97.28,14.73 94.23,14.73 93.6,15.37 64.64,15.37 v1(63.88,16.13) ; 97.28,14.73 v1(104.52,14.73)
/SCSI/~{ACK}: length 59
  Top w0.254: v1(55.25,36.96) 55.25,28.83 57.52,26.55 RN2.3 55.49,15.49 50.67,15.49 48.64,13.46 48.64,11.24 J8.38 ; v1(34.04,36.32) 33.27,37.08 U11.7
  Bottom w0.254: v1(55.25,36.96) 34.67,36.96 v1(34.04,36.32)
/SCSI/~{ATN}: length 139
  Top w0.254: RN3.3 35.81,17.41 v1(35.81,14.73) ; v1(12.19,77.34) 12.45,77.6 12.45,79.25 10.54,81.15 U5.8 ; v1(42.29,73.53) 42.67,73.15 42.67,67.69 44.07,66.29 44.07,65.02 45.59,63.5 45.59,59.69 46.1,59.18 46.1,54.86 55.12,45.85 55.12,38.74 56.26,37.59 56.26,28.96 61.34,23.88 61.34,16.13 59.94,14.73 v1(58.8,14.73) 57.91,13.84 56.77,13.84 56.26,13.34 56.26,11.24 J8.32
  Bottom w0.254: v1(12.19,77.34) 15.49,74.04 41.78,74.04 v1(42.29,73.53) ; v1(35.81,14.73) 36.07,14.48 58.55,14.48 v1(58.8,14.73)
